# KiCad board LTC6811_ESP32_V5_Main.kicad_pcb (continued)
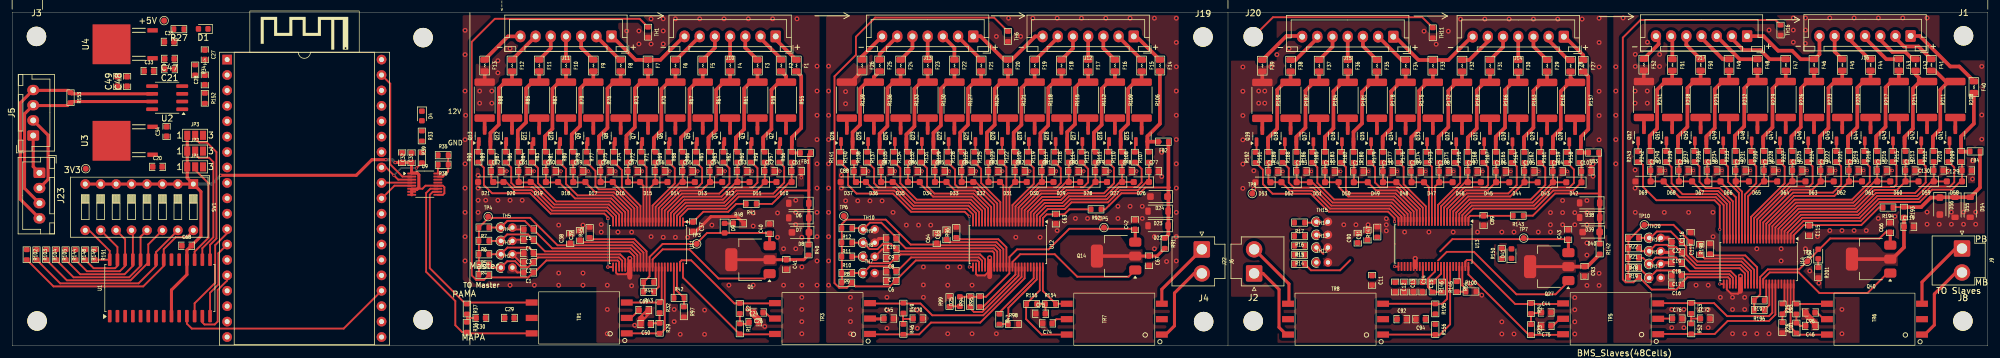
[diagram p0: board, top side]
## Placement (name value [footprint] x y rotation side) (continued)
R100  1K  [R_0603_1608Metric]  239.98 8.96 0 top
R101  1K  [R_0603_1608Metric]  291.2 3 270 top
R102  10K  [R_0603_1608Metric]  2.4 15.03 270 top
R103  10K  [R_0603_1608Metric]  4 15.03 270 top
R104  10K  [R_0603_1608Metric]  5.6 15.03 270 top
R105  10K  [R_0603_1608Metric]  7.2 15.03 270 top
R106  36R 1W 2512  [R_2512_6332Metric]  185.8 40.5 270 top
R107  100R  [R_0603_1608Metric]  187 31.1 90 top
R108  3.3K  [R_0603_1608Metric]  184.7 31.1 90 top
R109  36R 1W 2512  [R_2512_6332Metric]  181.4 40.5 270 top
R110  100R  [R_0603_1608Metric]  182.6 31.1 90 top
R111  3.3K  [R_0603_1608Metric]  180.3 31.1 90 top
R112  36R 1W 2512  [R_2512_6332Metric]  177 40.5 270 top
R113  100R  [R_0603_1608Metric]  178.2 31.1 90 top
R114  3.3K  [R_0603_1608Metric]  175.9 31.1 90 top
R115  36R 1W 2512  [R_2512_6332Metric]  172.6 40.5 270 top
R116  100R  [R_0603_1608Metric]  173.8 31.1 90 top
R117  3.3K  [R_0603_1608Metric]  171.5 31.1 90 top
R118  36R 1W 2512  [R_2512_6332Metric]  168.2 40.5 270 top
R119  100R  [R_0603_1608Metric]  169.4 31.1 90 top
R120  3.3K  [R_0603_1608Metric]  167.1 31.1 90 top
R121  36R 1W 2512  [R_2512_6332Metric]  163.8 40.5 270 top
R122  100R  [R_0603_1608Metric]  165 31.1 90 top
R123  3.3K  [R_0603_1608Metric]  162.7 31.1 90 top
R124  36R 1W 2512  [R_2512_6332Metric]  159.4 40.5 270 top
R125  100R  [R_0603_1608Metric]  160.6 31.1 90 top
R126  3.3K  [R_0603_1608Metric]  158.3 31.1 90 top
R127  36R 1W 2512  [R_2512_6332Metric]  155 40.5 270 top
R128  100R  [R_0603_1608Metric]  156.2 31.1 90 top
R129  3.3K  [R_0603_1608Metric]  153.9 31.1 90 top
R130  36R 1W 2512  [R_2512_6332Metric]  150.6 40.5 270 top
R131  100R  [R_0603_1608Metric]  151.8 31.1 90 top
R132  3.3K  [R_0603_1608Metric]  149.5 31.1 90 top
R133  36R 1W 2512  [R_2512_6332Metric]  146.15 40.5 270 top
R134  100R  [R_0603_1608Metric]  147.35 31.1 90 top
R135  3.3K  [R_0603_1608Metric]  145.05 31.1 90 top
R136  36R 1W 2512  [R_2512_6332Metric]  141.75 40.5 270 top
R137  100R  [R_0603_1608Metric]  142.95 31.1 90 top
R138  3.3K  [R_0603_1608Metric]  140.65 31.1 90 top
R139  36R 1W 2512  [R_2512_6332Metric]  137.3 40.5 270 top
R140  100R  [R_0603_1608Metric]  138.5 31.1 90 top
R141  3.3K  [R_0603_1608Metric]  136.2 31.1 90 top
R142  100R  [R_0603_1608Metric]  261.15 15.96 270 top
R143  100R  [R_0603_1608Metric]  247.75 21.46 180 top
R144  10K  [R_0603_1608Metric]  8.8 15.03 270 top
R145  0  [R_0603_1608Metric]  235.2 9.7 270 top
R146  1M  [R_0603_1608Metric]  233.7 9.7 270 top
R147  0  [R_0603_1608Metric]  224.55 18.76 90 top
R148  10K  [R_0603_1608Metric]  10.4 15.03 270 top
R149  10K  [R_0603_1608Metric]  12 15.03 270 top
R150  1.2K  [R_0603_1608Metric]  245.04 15.22 90 top
R151  10K  [R_0603_1608Metric]  13.6 15.03 270 top
R152  120R  [R_0603_1608Metric]  31.7 40.8 270 top
R153  120R  [R_0603_1608Metric]  9.6 40.9 270 top
R154  51R  [R_0603_1608Metric]  170.8 6.9 0 top
R155  51R  [R_0603_1608Metric]  167.7 6.9 0 top
R156  51R  [R_0603_1608Metric]  234.1 2.7 270 top
R157  36R 1W 2512  [R_2512_6332Metric]  257.1 40.46 270 top
R158  100R  [R_0603_1608Metric]  257.85 31.06 90 top
R159  3.3K  [R_0603_1608Metric]  255.75 31.06 90 top
R160  36R 1W 2512  [R_2512_6332Metric]  252.5 40.46 270 top
R161  100R  [R_0603_1608Metric]  253.45 31.06 90 top
R162  3.3K  [R_0603_1608Metric]  251.35 31.06 90 top
R163  36R 1W 2512  [R_2512_6332Metric]  247.75 40.47 270 top
R164  100R  [R_0603_1608Metric]  248.77 31.06 90 top
R165  3.3K  [R_0603_1608Metric]  246.7 31.06 90 top
R166  36R 1W 2512  [R_2512_6332Metric]  243.1 40.47 270 top
R167  100R  [R_0603_1608Metric]  244.1 31.07 90 top
R168  3.3K  [R_0603_1608Metric]  242 31.07 90 top
R169  36R 1W 2512  [R_2512_6332Metric]  238.5 40.47 270 top
R170  100R  [R_0603_1608Metric]  239.45 31.07 90 top
R171  3.3K  [R_0603_1608Metric]  237.35 31.07 90 top
R172  36R 1W 2512  [R_2512_6332Metric]  233.7 40.47 270 top
R173  100R  [R_0603_1608Metric]  234.75 31.07 90 top
R174  3.3K  [R_0603_1608Metric]  232.7 31.07 90 top
R175  36R 1W 2512  [R_2512_6332Metric]  229.23 40.47 270 top
R176  100R  [R_0603_1608Metric]  230.2 31.07 90 top
R177  3.3K  [R_0603_1608Metric]  228.1 31.07 90 top
R178  36R 1W 2512  [R_2512_6332Metric]  224.5 40.47 270 top
R179  100R  [R_0603_1608Metric]  225.5 31.07 90 top
R180  3.3K  [R_0603_1608Metric]  223.4 31.07 90 top
R181  36R 1W 2512  [R_2512_6332Metric]  219.7 40.47 270 top
R182  100R  [R_0603_1608Metric]  220.7 31.07 90 top
R183  3.3K  [R_0603_1608Metric]  218.6 31.07 90 top
R184  36R 1W 2512  [R_2512_6332Metric]  215 40.47 270 top
R185  100R  [R_0603_1608Metric]  215.97 31.07 90 top
R186  3.3K  [R_0603_1608Metric]  213.88 31.07 90 top
R187  36R 1W 2512  [R_2512_6332Metric]  210.3 40.47 270 top
R188  100R  [R_0603_1608Metric]  211.3 31.07 90 top
R189  3.3K  [R_0603_1608Metric]  209 31.07 90 top
R190  36R 1W 2512  [R_2512_6332Metric]  205.65 40.46 270 top
R191  100R  [R_0603_1608Metric]  206.65 31.06 90 top
R192  3.3K  [R_0603_1608Metric]  204.55 31.06 90 top
R193  100R  [R_0603_1608Metric]  311.2 22.04 270 top
R194  100R  [R_0603_1608Metric]  308.57 22.8 180 top
R195  51R  [R_0603_1608Metric]  234.1 6.1 270 top
R196  0  [R_0603_1608Metric]  287.4 5.9 180 top
R197  1M  [R_0603_1608Metric]  287.4 7.5 180 top
R198  0  [R_0603_1608Metric]  279.3 16 90 top
R201  1.2K  [R_0603_1608Metric]  297.1 12.07 270 top
R208  36R 1W 2512  [R_2512_6332Metric]  319.65 40.6 270 top
R209  100R  [R_0603_1608Metric]  320.6 31.2 90 top
R210  3.3K  [R_0603_1608Metric]  318.5 31.2 90 top
R211  36R 1W 2512  [R_2512_6332Metric]  315 40.6 270 top
R212  100R  [R_0603_1608Metric]  316.1 31.2 90 top
R213  3.3K  [R_0603_1608Metric]  314 31.2 90 top
R214  36R 1W 2512  [R_2512_6332Metric]  310.35 40.6 270 top
R215  100R  [R_0603_1608Metric]  311.45 31.2 90 top
R216  3.3K  [R_0603_1608Metric]  309.35 31.2 90 top
R217  36R 1W 2512  [R_2512_6332Metric]  305.7 40.6 270 top
R218  100R  [R_0603_1608Metric]  306.8 31.2 90 top
R219  3.3K  [R_0603_1608Metric]  304.7 31.2 90 top
R220  36R 1W 2512  [R_2512_6332Metric]  301.05 40.6 270 top
R221  100R  [R_0603_1608Metric]  302.15 31.2 90 top
R222  3.3K  [R_0603_1608Metric]  300.05 31.2 90 top
R223  36R 1W 2512  [R_2512_6332Metric]  296.4 40.6 270 top
R224  100R  [R_0603_1608Metric]  297.5 31.2 90 top
R225  3.3K  [R_0603_1608Metric]  295.4 31.2 90 top
R226  36R 1W 2512  [R_2512_6332Metric]  291.75 40.6 270 top
R227  100R  [R_0603_1608Metric]  292.85 31.2 90 top
R228  3.3K  [R_0603_1608Metric]  290.75 31.2 90 top
R229  36R 1W 2512  [R_2512_6332Metric]  287.1 40.6 270 top
R230  100R  [R_0603_1608Metric]  288.2 31.2 90 top
R231  3.3K  [R_0603_1608Metric]  286.1 31.2 90 top
R232  36R 1W 2512  [R_2512_6332Metric]  282.43 40.6 270 top
R233  100R  [R_0603_1608Metric]  283.52 31.2 90 top
R234  3.3K  [R_0603_1608Metric]  281.43 31.2 90 top
R235  36R 1W 2512  [R_2512_6332Metric]  277.75 40.6 270 top
R236  100R  [R_0603_1608Metric]  278.85 31.2 90 top
R237  3.3K  [R_0603_1608Metric]  276.75 31.2 90 top
R238  36R 1W 2512  [R_2512_6332Metric]  273.07 40.6 270 top
R239  100R  [R_0603_1608Metric]  274.18 31.2 90 top
R240  3.3K  [R_0603_1608Metric]  272.07 31.2 90 top
R241  36R 1W 2512  [R_2512_6332Metric]  268.43 40.6 270 top
R242  100R  [R_0603_1608Metric]  269.52 31.2 90 top
R243  3.3K  [R_0603_1608Metric]  267.43 31.18 90 top
SW1  SW_DIP_x08  [SW_DIP_SPSTx08_Slide_9.78x22.5mm_W7.62mm_P2.54mm]  29.8 26.67 270 top
TH1  10K NTC SMD  [R_0603_1608Metric]  104.6 51.7 270 top
TH2  10K NTC  [R_Axial_DIN0204_L3.6mm_D1.6mm_P1.90mm_Vertical]  80.39 12.9 0 top
TH3  10K NTC  [R_Axial_DIN0204_L3.6mm_D1.6mm_P1.90mm_Vertical]  80.39 15.1 0 top
TH4  10K NTC  [R_Axial_DIN0204_L3.6mm_D1.6mm_P1.90mm_Vertical]  80.39 17.3 0 top
TH5  10K NTC  [R_Axial_DIN0204_L3.6mm_D1.6mm_P1.90mm_Vertical]  80.39 19.5 0 top
TH6  10K NTC SMD  [R_0603_1608Metric]  163.8 51 270 top
TH7  10K NTC  [R_Axial_DIN0204_L3.6mm_D1.6mm_P1.90mm_Vertical]  140 12 0 top
TH8  10K NTC  [R_Axial_DIN0204_L3.6mm_D1.6mm_P1.90mm_Vertical]  140 14.7 0 top
TH9  10K NTC  [R_Axial_DIN0204_L3.6mm_D1.6mm_P1.90mm_Vertical]  140 17 0 top
TH10  10K NTC  [R_Axial_DIN0204_L3.6mm_D1.6mm_P1.90mm_Vertical]  140 19.2 0 top
TH11  10K NTC SMD  [R_0603_1608Metric]  233.7 51.6 270 top
TH12  10K NTC  [R_Axial_DIN0204_L3.6mm_D1.6mm_P1.90mm_Vertical]  214.54 13.75 0 top
TH13  10K NTC  [R_Axial_DIN0204_L3.6mm_D1.6mm_P1.90mm_Vertical]  214.55 16.2 0 top
TH14  10K NTC  [R_Axial_DIN0204_L3.6mm_D1.6mm_P1.90mm_Vertical]  214.54 18.3 0 top
TH15  10K NTC  [R_Axial_DIN0204_L3.6mm_D1.6mm_P1.90mm_Vertical]  214.54 20.45 0 top
TH16  10K NTC SMD  [R_0603_1608Metric]  290.9 52.04 270 top
TH17  10K NTC  [R_Axial_DIN0204_L3.6mm_D1.6mm_P1.90mm_Vertical]  269.3 11.2 0 top
TH18  10K NTC  [R_Axial_DIN0204_L3.6mm_D1.6mm_P1.90mm_Vertical]  269.3 13.5 0 top
TH19  10K NTC  [R_Axial_DIN0204_L3.6mm_D1.6mm_P1.90mm_Vertical]  269.3 15.6 0 top
TH20  10K NTC  [R_Axial_DIN0204_L3.6mm_D1.6mm_P1.90mm_Vertical]  269.3 17.8 0 top
TP1  +5V  [TestPoint_Pad_D1.0mm]  25 53.6 0 top
TP2  3V3  [TestPoint_Pad_D1.0mm]  12.1 29.2 0 top
TP3  Vreg  [TestPoint_Pad_D1.0mm]  112.6 16.8 0 top
TP4  Vref2  [TestPoint_Pad_D1.0mm]  78.3 21.3 0 top
TP5  Vreg  [TestPoint_Pad_D1.0mm]  179.6 19.5 0 top
TP6  Vref2  [TestPoint_Pad_D1.0mm]  136.8 21.4 0 top
TP7  Vreg  [TestPoint_Pad_D1.0mm]  248.65 17.76 0 top
TP8  Vref2  [TestPoint_Pad_D1.0mm]  203.99 25.1 0 top
TP9  Vreg  [TestPoint_Pad_D1.0mm]  295.3 13.94 0 top
TP10  Vref2  [TestPoint_Pad_D1.0mm]  268.5 19.95 0 top
TR1  -  [HM2108NL]  93.28 4.6 90 top
TR3  -  [HM2108NL]  133.3 4.5 90 top
TR5  -  [HM2108NL]  262.95 4.46 90 top
TR6  -  [HM2108NL]  306.35 4.4 90 top
TR7  -  [HM2108NL]  181.3 4.4 90 top
TR8  -  [HM2108NL]  217.7 4.4 90 top
U1  MCP23017T-E/SO  [SOIC-28W_7.5x17.9mm_P1.27mm]  24.3 9.55 90 top
U2  MCP2562T-E/SN  [SOIC-8_3.9x4.9mm_P1.27mm]  25.5 40.9 180 top
U3  BD33FC0FP-E2  [TO252-3_ROM]  16.34 33.8 90 top
U4  BD50FC0FP-E2  [TO252-3_ROM]  16.34 49.7 90 top
U8  ESP32-DevKitC V4  [ESP32-DevKitc V4_DIP-38_27.9mm×48.2mm]  34.09 0.19 0 top
U9  LTC6820  [MSOP-16_3x4mm_P0.5mm]  67.88 26.65 0 top
U11  LTC6811HG-1  [TSSOP-48_6.1x12.5mm_P0.5mm]  104.6 16.7 270 top
U12  LTC6811HG-1  [TSSOP-48_6.1x12.5mm_P0.5mm]  163.8 16.7 270 top
U13  LTC6811HG-1  [TSSOP-48_6.1x12.5mm_P0.5mm]  233.8 16.8 270 top
U14  LTC6811HG-1  [TSSOP-48_6.1x12.5mm_P0.5mm]  287.3 13.9 270 top

## Library data of the parts
C1-C19 C22 C32 C37 C41 C51-C63 C67 C77-C89 C93 C103-C115 C119 C129-C140 = -: Datasheet: https://www.digikey.jp/en/products/detail/samsung-electro-mechanics/CL10B104KC8NNNC/5961291?s=N4IgTCBcDaIMIBkCMAGAQqgLAaTgDgDki4AdEkAXQF8g; Description: 0.1 µF ±10% 100V Ceramic Capacitor X7R 0603 (1608 Metric); MPN: CL10B104KC8NNNC; Link: https://www.digikey.jp/en/products/detail/samsung-electro-mechanics/CL10B104KC8NNNC/5961291?s=N4IgTCBcDaIMIBkCMAGAQqgLAaTgDgDki4QBdAXyA; ki_fp_filters: C_*
C20 C33 = -: Datasheet: https://search.murata.co.jp/Ceramy/image/img/A01X/G101/ENG/GRM188R61E225KA12-01.pdf; Description: 2.2 µF ±10% 25V Ceramic Capacitor X5R 0603 (1608 Metric); MPN: GRM188R61E225KA12D; Link: https://www.digikey.jp/en/products/detail/murata-electronics/GRM188R61E225KA12D/4905349; ki_fp_filters: C_*
C21 C48 = -: Datasheet: https://connect.kemet.com:7667/gateway/IntelliData-ComponentDocumentation/1.0/download/datasheet/C0603C102K4RECAUTO; Description: 1000 pF ±10% 16V Ceramic Capacitor X7R 0603 (1608 Metric); MPN: C0603C102K4RECAUTO; Link: https://www.digikey.jp/en/products/detail/kemet/C0603C102K4RECAUTO/8640472; ki_fp_filters: C_*
C24 C26 C29 C30 C44-C46 C50 C69 C70 C72-C76 C92 C94 C96 = -: Datasheet: https://content.kemet.com/datasheets/KEM_X7R_FT_VW_AUDI.pdf; Description: 10000 pF ±10% 100V Ceramic Capacitor X7R 0603 (1608 Metric); MPN: C0603X103K1RAC3316; Link: https://www.digikey.jp/en/products/detail/kemet/C0603X103K1RAC3316/10315782; ki_fp_filters: C_*
C27 C28 C68 = -: Datasheet: https://www.digikey.jp/en/products/detail/samsung-electro-mechanics/CL10B104KC8NNNC/5961291?s=N4IgTCBcDaIMIBkCMAGAQqgLAaTgDgDki4AdEkAXQF8g; Description: 0.1 µF ±10% 100V Ceramic Capacitor X7R 0603 (1608 Metric); Link: https://www.digikey.jp/en/products/detail/samsung-electro-mechanics/CL10B104KC8NNNC/5961291?s=N4IgTCBcDaIMIBkCMAGAQqgLAaTgDgDki4QBdAXyA; MPN: CL10B104KC8NNNC; ki_fp_filters: C_*
C31 C34 C35 C38 C39 C64 C65 C90 C91 C116 C117 = -: Datasheet: https://mm.digikey.com/Volume0/opasdata/d220001/medias/docus/3644/CL10B105KA8NNNC_spec.pdf; Description: 1 µF ±10% 25V Ceramic Capacitor X7R 0603 (1608 Metric); MPN: CL10B105KA8NNNC; Link: https://www.digikey.jp/en/products/detail/samsung-electro-mechanics/CL10B105KA8NNNC/3886842; ki_fp_filters: C_*
C40 C42 C43 C66 = -: Datasheet: https://mm.digikey.com/Volume0/opasdata/d220001/medias/docus/2328/CL10A475KO8NNNC_Spec.pdf; Description: 4.7 µF ±10% 16V Ceramic Capacitor X5R 0603 (1608 Metric); MPN: CL10A475KO8NNNC; Link: https://www.digikey.jp/en/products/detail/samsung-electro-mechanics/CL10A475KO8NNNC/3887442?s=N4IgTCBcDaIMIBkCMAGAggFgOwFYDSA8gBwByZcIAugL5A; ki_fp_filters: C_*
C47 C49 = -: Datasheet: https://mm.digikey.com/Volume0/opasdata/d220001/medias/docus/658/CL10B104KB8NNWC_Spec.pdf; Description: 0.1 µF ±10% 50V Ceramic Capacitor X7R 0603 (1608 Metric); MPN: CL10B104KB8NNWC; Link: https://www.digikey.jp/en/products/detail/samsung-electro-mechanics/CL10B104KB8NNWC/3887593; ki_fp_filters: C_*
D1 D4 D9 D25 D41 D57 = -: Datasheet: https://optoelectronics.liteon.com/upload/download/DS-22-99-0151/LTST-C190KRKT.pdf; Description: Red 631nm LED Indication - Discrete 2V 0603 (1608 Metric); Link: https://www.digikey.jp/en/products/detail/liteon/LTST-C190KRKT/386817; MPN: LTST-C190KRKT; ki_fp_filters: LED* LED_SMD:* LED_THT:*
D6 D7 D22 D23 D38 D39 D54 D55 = -: Datasheet: https://www.diodes.com/assets/Datasheets/BAV16W_1N4148W.pdf; Description: Diode 100 V 300mA Surface Mount SOD-123; MPN: 1N4148W-7-F; Link: https://www.digikey.jp/en/products/detail/diodes-incorporated/1N4148W-7-F/814371; ki_fp_filters: D*SOD?123*
D8 D24 D40 D56 = -: Datasheet: https://assets.nexperia.com/documents/data-sheet/BZT52H_SER.pdf; Description: Zener Diode 62 V 375 mW ±5% Surface Mount SOD-123F; MPN: BZT52H-C62,115; Link: https://www.digikey.jp/en/products/detail/nexperia-usa-inc/BZT52H-C62-115/1162867; ki_fp_filters: D?SOD?123F*
D10-D21 D26-D37 D42-D53 D58-D69 = -: Datasheet: https://assets.nexperia.com/documents/data-sheet/PDZ-B_SER.pdf; Description: Zener Diode 7.6 V 400 mW ±2% Surface Mount SOD-323; MPN: PDZ7.5BZ; Link: https://www.digikey.jp/en/products/detail/nexperia-usa-inc/PDZ7-5BZ/7495708; ki_fp_filters: TO-???* *_Diode_* *SingleDiode* D_*
F1-F52 = -: Datasheet: https://product.tdk.com/en/system/files?file=dam/doc/product/emc/emc/beads/catalog/beads_automotive_power_mpz2012_en.pdf; Description: 1 kOhms @ 100 MHz 1 Power Line Ferrite Bead 0805 (2012 Metric) 1.5A 150mOhm; Link: https://www.digikey.jp/en/products/detail/tdk-corporation/MPZ2012S102ATD25/5040327?s=N4IgTCBcDaILIAUBaYAMBGMBldqwEEAVAETAFYQBdAXyA; ki_fp_filters: *Fuse*
FB1-FB4 = -: Datasheet: https://www.murata.com/en-us/products/productdata/8796738650142/ENFA0003.pdf; Description: 33 Ohms @ 100 MHz 1 Power Line Ferrite Bead 0603 (1608 Metric) 3A 25mOhm; Link: https://www.digikey.jp/en/products/detail/murata-electronics/BLM18PG330SN1D/1948325?s=N4IgTCBcDaIEIBkCyBGAHABQOIGYcAYBlAORQBEQBdAXyA; ki_fp_filters: Inductor_* L_* *Ferrite*
J1-J4 J7 J8 J18-J21 = -: Description: Mounting Hole without connection; MPN: N/A; ki_fp_filters: MountingHole*
J5 J23 = -: Datasheet: chrome-extension://efaidnbmnnnibpcajpcglclefindmkaj/https://www.jst-mfg.com/product/pdf/eng/eXH.pdf; Description: Connector Header Through Hole 4 position 0.098" (2.50mm); Link: https://www.digikey.jp/en/products/detail/jst-sales-america-inc/B4B-XH-A/1651047; MPN: B4B-XH-A; ki_fp_filters: Connector*:*_1x??_*
J6 J9 J22 = -: Datasheet: https://tools.molex.com/pdm_docs/sd/705430001_sd.pdf; Description: Connector Header Through Hole 2 position 0.100" (2.54mm); MPN: B2P-VH; Link: https://www.digikey.jp/en/products/detail/jst-sales-america-inc/B2P-VH/926547; ki_fp_filters: Connector*:*_1x??_*
J10-J17 = -: Datasheet: https://www.jst-mfg.com/product/pdf/eng/eXH.pdf; Description: Connector Header Through Hole 7 position 0.098" (2.50mm); Link: https://www.digikey.jp/en/products/detail/jst-sales-america-inc/B7B-XH-A/1651050; ki_fp_filters: Connector*:*_1x??_*
JP1-JP3 = -: ki_fp_filters: SolderJumper*Bridged12*
Q1 Q14 Q27 Q40 = -: Datasheet: https://www.onsemi.com/pdf/datasheet/nss1c201mz4-d.pdf; Description: Bipolar (BJT) Transistor NPN 100 V 2 A 100MHz 800 mW Surface Mount SOT-223 (TO-261); MPN: NSV1C201MZ4T1G; Link: https://www.digikey.jp/en/products/detail/onsemi/NSV1C201MZ4T1G/4848737?s=N4IgTCBcDaIHIGUBqBGAwmADCgsgLQBYQBdAXyA
Q2-Q13 Q15-Q26 Q28-Q39 Q41-Q52 = -: Datasheet: https://www.taiwansemi.com/assets/uploads/datasheet/TSM2323_F15.pdf; Description: P-Channel 20 V 4.7A (Ta) 1.25W (Ta) Surface Mount SOT-23; MPN: TSM2323CX RFG; Link: https://www.digikey.jp/en/products/detail/taiwan-semiconductor-corporation/TSM2323CX-RFG/7360264?s=N4IgTCBcDaICoGUCyYDMaDCANABAJQDEBxHEAXQF8g
R1 R2 R23 R24 R36 R37 R49 = -: Datasheet: https://industrial.panasonic.com/cdbs/www-data/pdf/RDA0000/AOA0000C304.pdf; Description: 49.9 Ohms ±1% 0.1W, 1/10W Chip Resistor 0603 (1608 Metric) Automotive AEC-Q200 Thick Film; MPN: ERJ-3EKF49R9V; Link: https://www.digikey.jp/en/products/detail/panasonic-electronic-components/ERJ-3EKF49R9V/196378; ki_fp_filters: R_*
R3-R22 R102-R105 R144 R148 R149 R151 = -: Datasheet: https://www.yageo.com/upload/media/product/products/datasheet/rchip/PYu-RC_Group_51_RoHS_L_12.pdf; Description: 10 kOhms ±1% 0.1W, 1/10W Chip Resistor 0603 (1608 Metric) Moisture Resistant Thick Film; MPN: RC0603FR-0710KL; Link: https://www.digikey.jp/en/products/detail/yageo/RC0603FR-0710KL/726880; ki_fp_filters: R_*
R25 R26 R29 R32 = -: Datasheet: https://www.yageo.com/upload/media/product/productsearch/datasheet/rchip/PYu-RC_Group_51_RoHS_L_12.pdf; Description: 51 Ohms ±5% 0.1W, 1/10W Chip Resistor 0603 (1608 Metric) Moisture Resistant Thick Film; Link: https://www.digikey.jp/en/products/detail/yageo/RC0603JR-0751RL/726803?s=N4IgTCBcDaIEoGEAMA2JBmAUnAtEg7AKwCMcAMiALoC%2BQA; MPN: RC0603JR-0751RL; ki_fp_filters: R_*
R27 R33 = -: Datasheet: https://www.yageo.com/upload/media/product/products/datasheet/rchip/PYu-RC_Group_51_RoHS_L_12.pdf; Description: 470 Ohms ±5% 0.1W, 1/10W Chip Resistor 0603 (1608 Metric) Moisture Resistant Thick Film; MPN: RC0603JR-07470RL; Link: https://www.digikey.jp/en/products/detail/yageo/RC0603JR-07470RL/726791?s=N4IgTCBcDaIEoGEAMA2JBmAUnAtEg7ACz5JwAyIAugL5A; ki_fp_filters: R_*
R34 = -: Datasheet: https://www.yageo.com/upload/media/product/products/datasheet/rchip/PYu-RC_Group_51_RoHS_L_12.pdf; Description: 10 kOhms ±1% 0.1W, 1/10W Chip Resistor 0603 (1608 Metric) Moisture Resistant Thick Film; Link: https://www.digikey.jp/en/products/detail/yageo/RC0603FR-0710KL/726880; MPN: RC0603FR-0710KL; ki_fp_filters: R_*
R35 R38 R42 R47 R54 R93 R97 R98 R100 R101 = -: Datasheet: https://www.yageo.com/upload/media/product/products/datasheet/rchip/PYu-RC_Group_51_RoHS_L_12.pdf; Description: 1 kOhms ±1% 0.1W, 1/10W Chip Resistor 0603 (1608 Metric) Moisture Resistant Thick Film; Link: https://www.digikey.jp/en/products/detail/yageo/RC0603FR-071KL/726843; MPN: RC0603FR-071KL; ki_fp_filters: R_*
R39 = -: Datasheet: https://www.yageo.com/upload/media/product/app/datasheet/rchip/pyu-rc_group_51_rohs_l.pdf; Description: 2 kOhms ±1% 0.1W, 1/10W Chip Resistor 0603 (1608 Metric) Moisture Resistant Thick Film; MPN: RC0603FR-072KL; Link: https://www.digikey.jp/en/products/detail/yageo/RC0603FR-072KL/727009?s=N4IgTCBcDaIEoGEAMA2JBmAYnAtEg7GANIAyIAugL5A; ki_fp_filters: R_*
R40 R41 R56 R59 R62 R65 R68 R71 R74 R77 R80 R83 R86 R89 R91 R92 R107 R110 R113 R116 R119 R122 R125 R128 R131 R134 R137 R140 R142 R143 R158 R161 R164 R167 R170 R173 R176 R179 R182 R185 R188 R191 R193 R194 R209 R212 R215 R218 R221 R224 R227 R230 R233 R236 R239 R242 = -: Datasheet: https://www.yageo.com/upload/media/product/app/datasheet/rchip/pyu-rc_group_51_rohs_l.pdf; Description: 100 Ohms ±1% 0.1W, 1/10W Chip Resistor 0603 (1608 Metric) Moisture Resistant Thick Film; MPN: RC0603FR-07100RL; Link: https://www.digikey.jp/en/products/detail/yageo/RC0603FR-07100RL/726888?s=N4IgTCBcDaIEoGEAMA2JBmAYnAtEg7AIxJJwAyIAugL5A; ki_fp_filters: R_*
R43 R45 R94 R96 R145 R147 R196 R198 = -: Datasheet: https://www.yageo.com/upload/media/product/products/datasheet/rchip/PYu-RC_Group_51_RoHS_L_12.pdf; Description: 0 Ohms Jumper Chip Resistor 0603 (1608 Metric) Moisture Resistant Thick Film; MPN: RC0603JR-070RL; Link: https://www.digikey.jp/en/products/detail/yageo/RC0603JR-070RL/726675?s=N4IgTCBcDaIEoGEAMA2JBmAUnAtEg7EnADIgC6AvkA; ki_fp_filters: R_*
R44 R95 R146 R197 = -: Datasheet: https://www.yageo.com/upload/media/product/app/datasheet/rchip/pyu-rc_group_51_rohs_l.pdf; Description: 1 MOhms ±5% 0.1W, 1/10W Chip Resistor 0603 (1608 Metric) Moisture Resistant Thick Film; MPN: RC0603JR-071ML; Link: https://www.digikey.jp/en/products/detail/yageo/RC0603JR-071ML/726678?s=N4IgTCBcDaIEoGEAMA2JBmAUnAtEg7AIwCyAMiALoC%2BQA; ki_fp_filters: R_*
R46 R52 R53 = -: Datasheet: https://industrial.panasonic.com/cdbs/www-data/pdf/RDA0000/AOA0000C304.pdf; Description: 49.9 Ohms ±1% 0.1W, 1/10W Chip Resistor 0603 (1608 Metric) Automotive AEC-Q200 Thick Film; Link: https://www.digikey.jp/en/products/detail/panasonic-electronic-components/ERJ-3EKF49R9V/196378; MPN: ERJ-3EKF49R9V; ki_fp_filters: R_*
R48 R99 R150 R201 = -: Datasheet: https://www.yageo.com/upload/media/product/productsearch/datasheet/rchip/PYu-RC_Group_51_RoHS_L_12.pdf; Description: 1.2 kOhms ±5% 0.1W, 1/10W Chip Resistor 0603 (1608 Metric) Moisture Resistant Thick Film; MPN: RC0603JR-071K2L; Link: https://www.digikey.jp/en/products/detail/yageo/RC0603JR-071K2L/726683?s=N4IgTCBcDaIEoGEAMA2JBmAUnAtEg7AIwDSYAMiALoC%2BQA; ki_fp_filters: R_*
R55 R58 R61 R64 R67 R70 R73 R76 R79 R82 R85 R88 R106 R109 R112 R115 R118 R121 R124 R127 R130 R133 R136 R139 R157 R160 R163 R166 R169 R172 R175 R178 R181 R184 R187 R190 R208 R211 R214 R217 R220 R223 R226 R229 R232 R235 R238 R241 = -: Datasheet: https://www.seielect.com/catalog/sei-rmcf_rmcp.pdf; Description: 36 Ohms ±5% 1W Chip Resistor 2512 (6432 Metric) Automotive AEC-Q200 Thick Film; MPN: RTT25360JTE; Link: https://www.digikey.jp/en/products/detail/stackpole-electronics-inc/RMCF2512JT36R0/1716346; ki_fp_filters: R_*
R57 R60 R63 R66 R69 R72 R75 R78 R81 R84 R87 R90 R108 R111 R114 R117 R120 R123 R126 R129 R132 R135 R138 R141 R159 R162 R165 R168 R171 R174 R177 R180 R183 R186 R189 R192 R210 R213 R216 R219 R222 R225 R228 R231 R234 R237 R240 R243 = -: Datasheet: https://www.yageo.com/upload/media/product/app/datasheet/rchip/pyu-rc_group_51_rohs_l.pdf; Description: 3.3 kOhms ±1% 0.1W, 1/10W Chip Resistor 0603 (1608 Metric) Moisture Resistant Thick Film; MPN: RC0603FR-073K3L; Link: https://www.digikey.jp/en/products/detail/yageo/RC0603FR-073K3L/727126?s=N4IgTCBcDaIEoGEAMA2JBmAYnAtEg7OgNboAyIAugL5A; ki_fp_filters: R_*
R152 R153 = -: Datasheet: https://www.yageo.com/upload/media/product/app/datasheet/rchip/pyu-rc_group_51_rohs_l.pdf; Description: 120 Ohms ±5% 0.1W, 1/10W Chip Resistor 0603 (1608 Metric) Moisture Resistant Thick Film; MPN: RC0603JR-07120RL; Link: https://www.digikey.jp/en/products/detail/yageo/RC0603JR-07120RL/726706; ki_fp_filters: R_*
R154-R156 R195 = -: Datasheet: https://www.yageo.com/upload/media/product/productsearch/datasheet/rchip/PYu-RC_Group_51_RoHS_L_12.pdf; Description: 51 Ohms ±5% 0.1W, 1/10W Chip Resistor 0603 (1608 Metric) Moisture Resistant Thick Film; MPN: RC0603JR-0751RL; Link: https://www.digikey.jp/en/products/detail/yageo/RC0603JR-0751RL/726803?s=N4IgTCBcDaIEoGEAMA2JBmAUnAtEg7AKwCMcAMiALoC%2BQA; ki_fp_filters: R_*
SW1 = -: Datasheet: https://www.ctscorp.com/Files/DataSheets/Switches/DIP-Switches/CTS-Switches-DIP-208-Series-Datasheet.pdf; Description: Dip Switch SPST 8 Position Through Hole Slide (Standard) Actuator 50mA 24VDC; Link: https://www.digikey.jp/en/products/detail/cts-electrocomponents/208-8/20795; MPN: 208-8; ki_fp_filters: SW?DIP?x8*
TH1 TH6 TH11 TH16 = -: Datasheet: https://www.murata.com/en-us/api/pdfdownloadapi?cate=luNTCforTempeSenso&partno=NCU18XH103F6SRB; Description: THERMISTOR NTC 10KOHM 3380K 0603; MPN: NCU18XH103F6SRB; Link: https://www.digikey.jp/en/products/detail/murata-electronics/NCU18XH103F6SRB/7243451; ki_fp_filters: R_*
TH2-TH5 TH7-TH10 TH12-TH15 TH17-TH20 = -: Datasheet: https://www.cantherm.com/wp-content/uploads/2017/05/cantherm_mf52_1.pdf; Description: THERMISTOR NTC 10KOHM 3380K BEAD; MPN: MF52C1103F3380; Link: https://www.digikey.jp/en/products/detail/cantherm/MF52C1103F3380/1840604; ki_fp_filters: R_*
TP1-TP10 = -: ki_fp_filters: Pin* Test*
TR1 TR3 TR5-TR8 = -: Datasheet: https://productfinder.pulseelectronics.com/api/open/part-attachments/datasheet/HM2108NL; Description: 135µH Pulse Transformer Surface Mount; Link: https://www.digikey.jp/en/products/detail/pulse-electronics/HM2108NL/7914611
U1 = -: Datasheet: https://ww1.microchip.com/downloads/aemDocuments/documents/APID/ProductDocuments/DataSheets/MCP23017-Data-Sheet-DS20001952.pdf; Description: I/O Expander 16 I2C 1.7 MHz 28-SOIC; Link: https://www.digikey.jp/en/products/detail/microchip-technology/MCP23017T-E-SO/964184; ki_fp_filters: DIP*W7.62mm*
U2 = -: Datasheet: https://ww1.microchip.com/downloads/en/DeviceDoc/20005167C.pdf; Description: 1/1 Transceiver Half CANbus 8-SOIC; Link: https://www.digikey.jp/en/products/detail/microchip-technology/MCP2562T-E-SN/4079891; ki_fp_filters: SOIC*3.9x4.9mm*P1.27mm*
U3 = -: ki_fp_filters: TO252-3_ROM TO252-3_ROM-M TO252-3_ROM-L
U4 = -: Datasheet: BD33FC0FP-E2; ki_fp_filters: TO252-3_ROM TO252-3_ROM-M TO252-3_ROM-L
U8 = -: Datasheet: https://mm.digikey.com/Volume0/opasdata/d220001/medias/docus/754/ESP32-DevKitC_GSG_Ver1.4_2017.pdf; Description: - ESP32-WROOM-32E Transceiver; 802.11 b/g/n (Wi-Fi, WiFi, WLAN), Bluetooth® Smart Ready 4.x Dual Mode 2.4GHz Evaluation Board; Link: https://www.digikey.jp/en/products/detail/espressif-systems/ESP32-DEVKITC-32E/12091810; MPN: ESP32-DEVKITC-32E; ki_fp_filters: ESP32­S3­WROOM­1U_EXP
U9 = -: Datasheet: https://www.analog.com/media/en/technical-documentation/data-sheets/LTC6820.pdf; Description: Isolated Communications Interface Interface 16-MSOP; MPN: LTC6820IMS#PBF; Link: https://www.digikey.jp/en/products/detail/analog-devices-inc/LTC6820IMS-PBF/3838555?s=N4IgTCBcDaIDIBUDCA2AHGADASQLIGUBiABQCEAxAAhAF0BfIA
